# Allegro board F407_PACK_V10C.brd (continued)
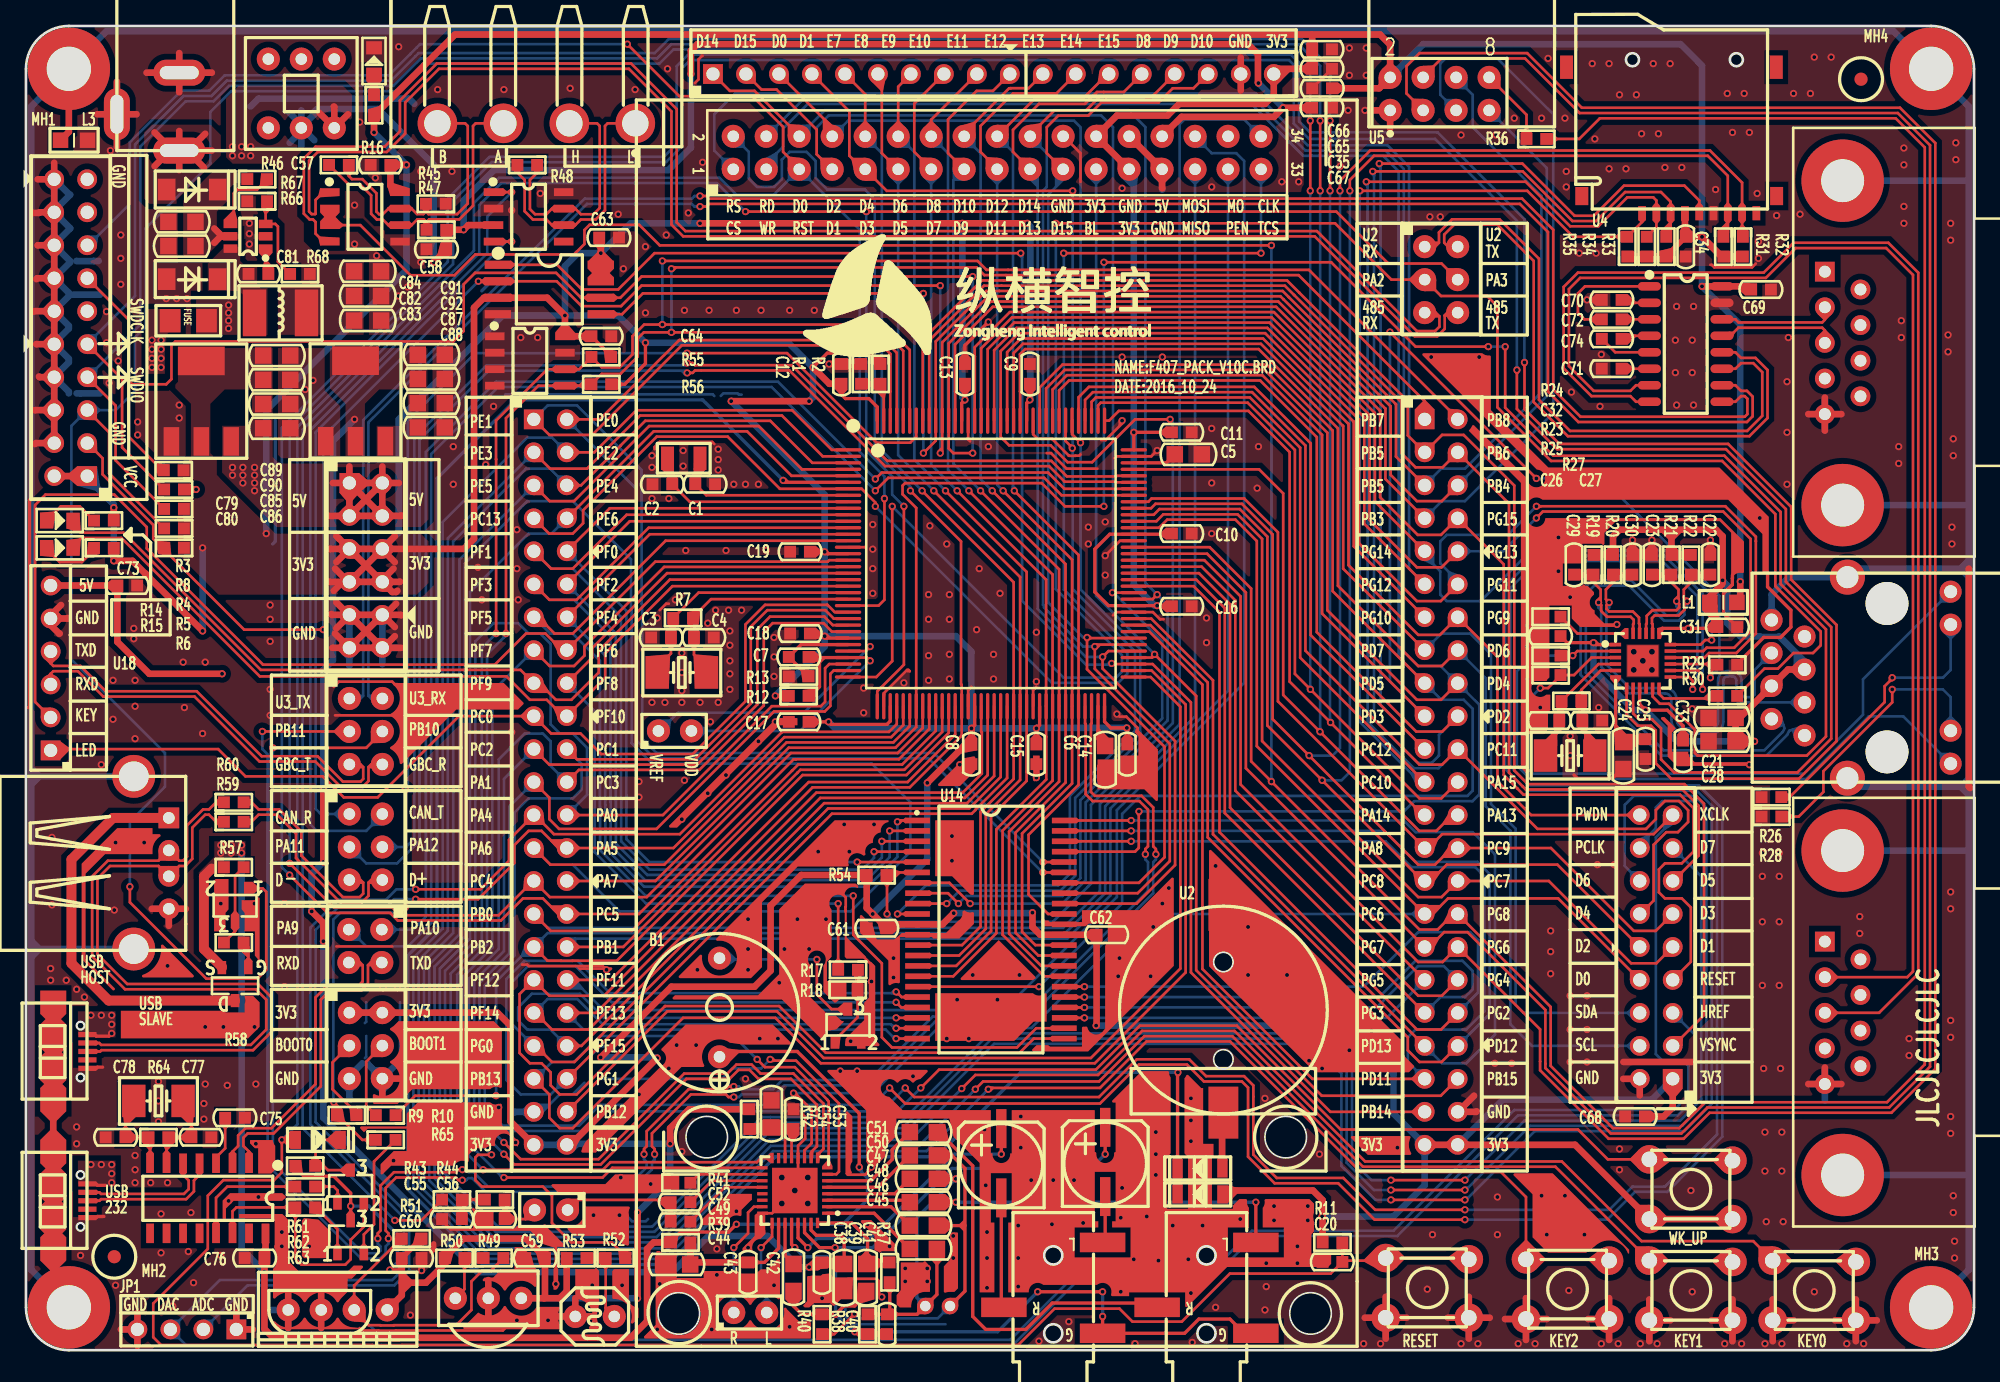
[diagram p0: board, top side]
## Routing (per net, layer and track width the routed paths; a pad name or vN(x,y) marks a point on that pad's centre or on a via; arc(x,y) is an arc through that point) (continued)
  BOTTOM w0.203: J1.44 44.18,20.9 53.6,20.9 54.4,21.7 56.6,21.7 v1(57.3,22.4)
I2S_SCLK: length 117.7
  TOP w0.203: v1(56.3,22.4) 56.9,21.8 59.2,21.8 61.7,19.3 61.7,19.27 61.81,19.17 61.81,14.16 U9.8 ; J1.41 40.3,19.7 40.3,17.9 41.1,17.1 42.1,17.1 50.6,25.6 57.7,25.6 61.2,22.1 82.3,22.1 89.29,29.09 89.29,49.73 86.68,52.35 U1.74
  BOTTOM w0.203: v1(56.3,22.4) 54.5,24.2 44.2,24.2 42.2,22.2 40.5,22.2 39.2,20.9 J1.41
I2S_SDIN: length 104.4
  TOP w0.203: v1(36.8,15.1) 37.59,14.31 44.26,14.31 50.85,20.9 54.17,20.9 54.87,21.59 55.71,21.59 56.4,20.9 58.9,20.9 60.9,18.9 60.9,15.71 60.52,15.33 60.52,14.87 U9.10 ; J1.24 42.58,44.7 51.85,44.7 56.81,49.66 56.81,55.32 57.5,56 61.4,56 62.05,55.35 U1.29
  BOTTOM w0.203: v1(36.8,15.1) 34.11,17.79 34.11,28.61 34.82,29.32 36.4,30.9 36.4,45.5 38.4,47.5 39.8,47.5 40.4,46.9 40.4,45 J1.24
I2S_SDOUT: length 100
  TOP w0.203: v1(36.8,16) 38.09,14.71 44.09,14.71 50.68,21.31 54.01,21.31 54.7,22 55.87,22 56.57,21.31 59.07,21.31 59.07,21.3 59.1,21.3 61.4,19 61.4,15.5 60.95,15.05 U9.9 ; J1.21 40.29,45.11 51.68,45.11 56.31,49.74 56.31,55.52 57.29,56.5 61.47,56.5 62.12,55.85 U1.28
  BOTTOM w0.203: v1(36.8,16) 34.51,18.29 34.51,28.44 34.99,28.91 36.81,30.73 36.81,44.01 J1.21
IIC_SCL: length 196.7
  TOP w0.203: v1(49,83.9) 73.27,83.9 73.96,83.21 75.62,83.21 98.79,83.21 110.24,71.76 J3.2 ; v1(36.2,55.2) 36.2,68.63 36.19,68.63 36.19,71.6 40.15,75.56 U16.6 42.6,75.56 R55.2 44.34,75.7 45.7,75.7 46.7,76.7 46.7,78.1 47.6,79 v1(49,79) 66.1,79 68.05,77.05 U1.139 ; v1(35.2,13.9) 44.43,13.9 45.01,14.48 56.28,14.48 56.6,14.8 U9.16
  BOTTOM w0.203: v1(49,79) v1(49,83.9) ; v1(36.2,55.2) 35.1,54.1 35.1,31.4 32.7,29 32.7,16.4 v1(35.2,13.9)
IIC_SDA: length 190.5
  TOP w0.203: U1.140 67.55,76.98 66.13,78.4 v1(49.7,78.4) 47.57,78.4 47.11,77.93 47.11,76.53 45.77,75.2 44.34,75.2 R56.2 43.43,74.29 U16.5 39.46,74.29 36.96,71.8 v1(36.96,55.2) ; J3.1 107.7,73.1 97.99,82.81 75.45,82.81 73.79,82.81 73.2,83.4 49.8,83.4 v1(49.7,83.3) ; U9.17 45.15,14.05 44.4,13.3 v1(36.8,13.3)
  BOTTOM w0.203: v1(49.7,78.4) v1(49.7,83.3) ; v1(36.96,55.2) 36.96,55.06 35.51,53.61 35.51,31.23 33.2,28.93 33.2,16.8 36.7,13.3 v1(36.8,13.3)
JTCK: length 225.5
  TOP w0.203: U1.109 83.4,71.6 84.15,72.35 94.13,72.35 97.3,69.18 97.3,51.5 v1(100.45,48.35) 107.58,41.22 J3.25 ; J2.9 7.4,74.8 7.4,69.54 R8.2 ; v1(100.41,94.7) v1(100.41,89.3)
  BOTTOM w0.203: J2.9 4.71,77.51 8.4,81.2 8.4,92.87 12.13,96.61 14.28,96.61 15.47,97.79 28.12,97.79 30,99.67 30.24,99.91 48.41,99.91 49.5,101 98.23,101 100.41,98.81 v1(100.41,94.7) ; v1(100.45,48.35) 100.41,48.39 v1(100.41,89.3)
JTMS: length 224.3
  TOP w0.203: J2.7 6.9,72.76 6.9,68.54 R4.1 ; J3.26 109.82,41.22 108.6,40 107.28,40 v1(99.64,47.64) 96.81,50.47 96.81,65.99 94.95,67.85 U1.105 ; v1(99.65,89.3) v1(99.65,94.7)
  BOTTOM w0.203: v1(99.65,89.3) 99.65,47.65 v1(99.64,47.64) ; v1(99.65,94.7) 99.65,98.93 97.99,100.59 49.69,100.59 48.61,99.51 30.41,99.51 28.29,97.39 15.64,97.39 14.45,96.2 12.3,96.2 8.81,92.71 8.81,79.01 4.75,74.95 J2.7
KEY0: length 213.6
  TOP w0.203: v1(72.05,20.15) 73.1,21.2 82.55,21.2 85.94,24.59 93.06,24.59 103.11,14.54 118.26,14.54 124.4,8.4 133,8.4 SW3.3 140.8,6.9 SW3.4 ; J1.6 42.74,66.62 45.8,69.68 45.8,69.7 47.69,71.59 57.31,71.59 60.55,68.35 U1.3
  BOTTOM w0.203: v1(72.05,20.15) 68.1,16.2 57.24,16.2 48.88,7.84 35.72,7.84 30.64,12.92 30.64,29.88 32.89,32.13 32.89,62.29 38.5,67.9 40.36,67.9 J1.6
KEY1: length 205.3
  TOP w0.203: J1.3 40.36,67.9 43.2,67.9 47.29,71.99 58.21,71.99 61.35,68.85 U1.2 ; v1(73.1,20.1) 73.7,20.7 82.62,20.7 86.11,24.19 92.89,24.19 102.94,14.13 117.77,14.13 SW4.3 131.3,6.9 SW4.4
  BOTTOM w0.203: v1(73.1,20.1) 68.74,15.74 57.35,15.74 49.05,7.44 35.55,7.44 30.24,12.75 30.24,30.05 32.49,32.3 32.49,62.55 J1.3
KEY2: length 200.2
  TOP w0.203: v1(74.1,20.1) 74.2,20.2 82.7,20.2 86.28,23.78 92.72,23.78 102.78,13.73 113.57,13.73 115.5,11.8 SW5.3 121.8,7 SW5.4 ; U1.1 62.05,69.35 59,72.4 47,72.4 43.76,69.16 J1.4
  BOTTOM w0.203: v1(74.1,20.1) 69.33,15.33 57.52,15.33 49.22,7.03 35.38,7.03 29.83,12.58 29.83,30.22 32.08,32.47 32.08,63.78 38.6,70.3 40.5,70.3 J1.4
LCD_BL: length 91.3
  TOP w0.203: J3.42 108.94,19.6 99.77,19.6 90.11,29.27 90.11,50.39 v1(86.9,53.6) 86.9,53.55 86.7,53.35 U1.76
  BOTTOM w0.203: v1(86.9,53.6) 82.4,58.1 J13.23
LED0: length 70.4
  TOP w0.203: U1.21 49.57,59.35 44.1,53.88 44.1,52.2 42,50.1 40.8,50.1 39.52,51.38 J1.17 38.08,52.4 18.08,52.4 7.51,62.97 4.23,62.97 3.62,63.58 D3.2
LED1: length 71
  TOP w0.203: U1.22 49.78,58.85 44.6,53.67 44.6,51.8 J1.20 41.36,48.84 40.1,50.1 38.8,50.1 37,51.9 18.01,51.9 7.35,62.56 4.26,62.56 3.62,61.92 D4.2
LIGHT_SENSOR: length 88.7
  TOP w0.203: U1.19 62.55,60.35 62.53,60.33 49.14,60.33 43,54.19 43,53.5 42.2,52.7 40.32,52.7 J1.15 ; 46.16,7.24 45.1,8.3 42,8.3 40.5,9.8 40.5,11.9 39.8,12.6 35.1,12.6 34.6,13.1 34.6,14.85 34.8,15.05 v1(35.85,15.05)
  TOP w0.254: 46.16,7.24 R52.1
  BOTTOM w0.203: v1(35.85,15.05) 33.7,17.2 33.7,28.8 35.91,31.01 35.91,50.73 J1.15
LINK_LED: length 53.9
  TOP w0.203: 118.16,51.96 118.2,52 119.2,52 120.55,53.35 U3.3 ; 118.16,51.96 117.2,51 v1(116.6,51) ; 118.16,51.96 R25.2
  BOTTOM w0.203: v1(116.6,51) 115.21,49.61 115.21,45.19 115.99,44.41 136.91,44.41 141.45,48.95 141.45,51.67 J9.12
LOUT2: length 7.4
  TOP w0.203: U9.25 57.45,8.75 v1(56.6,7.9)
  BOTTOM w0.203: J10.2 57.04,3.99 56.6,4.43 v1(56.6,7.9)
NRF_CE: length 212.9
  TOP w0.203: U5.3 107.58,95.52 106.3,96.8 106.3,98.9 107.31,99.91 115.59,99.91 119.8,95.7 144.3,95.7 147.02,92.98 147.02,21.67 143.64,18.29 129.64,18.29 127.64,16.29 121.86,16.29 116.59,21.56 116.59,22.24 116.59,24.71 J3.34 109.08,29.9 107.2,29.9 93.53,43.57 93.53,58.06 90.74,60.85 U1.91
NRF_CS: length 206.8
  TOP w0.203: U1.92 90.94,61.35 93.93,58.36 93.93,44.83 J3.33 108.06,31.06 109.2,32.2 111,32.2 116.99,26.21 116.99,22.07 116.99,21.73 122.03,16.69 127.47,16.69 129.47,18.69 143.47,18.69 146.61,21.84 146.61,92.81 144.13,95.29 119.63,95.29 115.43,99.5 109,99.5 107.58,98.08 U5.4
NRF_IRQ: length 313.9
  TOP w0.203: U10.2 U10.3 25.74,86.66 29.6,82.8 33,82.8 34.6,84.4 42.2,84.4 43,85.2 43,86.29 43.4,86.69 47.21,86.69 48.8,85.1 v1(95.9,85.1) ; R36.1 119.6,93.3 121.19,94.89 143.96,94.89 146.21,92.64 146.21,22.01 143.3,19.1 129.3,19.1 127.3,17.1 122.2,17.1 117.4,21.9 117.4,26.44 J3.32 109.9,33.6 108.7,32.4 107.3,32.4 v1(95.9,43.8) 94.34,45.36 94.34,58.66 91.15,61.85 U1.93
  BOTTOM w0.203: v1(95.9,85.1) v1(95.9,43.8)
OSC32_IN: length 14.3
  TOP w0.203: X1.2 51.54,68.34 C1.2 52.39,65.85 U1.8
OSC32_OUT: length 16.2
  TOP w0.203: X1.1 49.76,68.34 C2.2 51.11,65.35 U1.9
OSC_IN: length 19
  TOP w0.203: U1.23 51.79,58.35 R7.1 49.84,55.08 C3.2 49.66,53.66 48.6,52.6 X2.2
OSC_OUT: length 17.2
  TOP w0.203: U1.24 52.75,57.85 51.36,56.46 R7.2 51.36,54.98 C4.2 51.44,53.56 52.4,52.6 X2.1
PA5: length 102.1
  TOP w0.203: v1(30,34.74) 34.81,34.74 37.6,37.53 37.6,38.9 38.7,40 39.7,40 41.02,38.68 J1.28 49.86,38.68 58.39,47.22 66.62,47.22 67.55,48.15 U1.41
  BOTTOM w0.203: JP1.2 17.05,4.99 28.37,4.99 29.27,5.89 29.51,6.13 29.51,10.37 22.3,17.57 22.3,32.37 24.13,34.2 27.8,34.2 28.34,34.74 v1(30,34.74)
PA9: length 104.3
  TOP w0.203: v1(65.4,66.2) 66.39,67.19 78.4,67.19 79.74,65.85 U1.101
  BOTTOM w0.203: v1(65.4,66.2) 57.41,74.19 36.37,74.19 31.2,69.03 31.2,32.9 29.4,31.1 26.2,31.1 24.9,32.4 J6.3
PA10: length 100.2
  TOP w0.203: v1(65.4,67.1) 65.9,67.6 78.7,67.6 79.95,66.35 U1.102
  BOTTOM w0.203: J6.1 29.8,32.4 30.79,33.39 30.79,69.19 36.2,74.6 57.9,74.6 v1(65.4,67.1)
PWM_AUDIO: length 9.8
  TOP w0.203: C49.2 C52.2 49.47,11.57 42.47,11.57 J11.1
PWM_DAC: length 210.3
  TOP w0.203: v1(28.4,10) 30.44,10 R43.1 ; J17.4 109,83.7 104.9,83.7 100.9,87.7 v1(64.7,87.7) v1(55.4,87.7) ; v1(67.6,65) 67.6,52.8 65.55,50.75 U1.37
  BOTTOM w0.203: v1(55.4,87.7) 53.2,89.9 36.6,89.9 34.9,88.2 34.9,84.5 21.31,70.91 21.31,17.09 v1(28.4,10) ; v1(67.6,65) 66.7,65.9 66.7,67.3 64.7,69.3 v1(64.7,87.7)
RESET: length 342.9
  TOP w0.203: 101.36,6.9 R11.2 ; 101.36,6.9 104.5,6.9 SW1.3 111,7.1 SW1.4 ; 101.36,6.9 C20.1 100.46,5.9 92.7,5.9 89,2.2 85.2,2.2 84.2,3.2 79.2,3.2 76.4,0.4 28.95,0.4 28.94,0.38 26.68,0.38 26.67,0.4 10.4,0.4 9.8,1 9.8,3.6 14,7.8 14,11.9 15.2,13.1 19.1,13.1 19.7,13.7 v1(19.7,16.2) D6.1 ; U1.25 65.65,57.35 66.1,57.8 v1(66.1,65.6) ; v1(46.3,100.6) 50.31,96.59 55.93,96.59 58.3,94.23 58.3,92.3 59.54,91.06 J13.5
  BOTTOM w0.203: v1(66.1,65.6) 66.1,67.3 64.2,69.2 64.2,86.3 J13.5 57.58,89 54.7,89 53.39,90.31 36.43,90.31 34.49,88.37 34.49,84.69 20.9,71.1 20.9,17.4 v1(19.7,16.2) ; J2.15 4.81,85.11 7.99,88.29 7.99,93.04 11.96,97.01 14.11,97.01 15.3,98.2 27.95,98.2 29.59,99.84 30.35,100.6 v1(46.3,100.6)
RMII_CRS_DV: length 185.1
  TOP w0.203: U3.11 125.25,50.35 125.81,49.79 126.51,49.79 128.5,47.8 128.5,46 128.7,45.8 137.13,45.8 138.6,47.27 138.6,55.53 135.11,59.02 135.11,64.57 130.77,68.9 117.6,68.9 113.9,72.6 v1(113.9,77.3) ; v1(83,83.8) 100.5,83.8 107,77.3 v1(112.6,77.3) ; J1.30 48.47,36.14 58.73,46.41 66.96,46.41 68.55,48 U1.43 68.55,64.88 67.5,65.93 67.5,66.6 67.69,66.79 78.21,66.79 80,65 v1(83,65)
  BOTTOM w0.203: v1(113.9,77.3) v1(112.6,77.3) ; v1(83,83.8) v1(83,65)
RMII_REF_CLK: length 254.5
  TOP w0.203: v1(67.7,20.2) 68.4,19.5 82.63,19.5 85.53,22.41 89.57,22.41 90.87,21.11 93.79,21.11 94.51,20.39 94.51,19.53 94.51,15.07 96.31,13.27 101.43,13.27 103.89,10.81 v1(110.8,10.81) ; J1.23 40.3,42.56 40.3,40.9 41.05,40.15 48.55,40.15 57.6,49.2 61.51,49.2 61.94,49.63 61.94,52.1 62.19,52.35 U1.35 ; U3.14 128.75,52.35 129.1,52 v1(129.1,50.9)
  BOTTOM w0.203: v1(110.8,10.81) 121.91,10.81 123.7,12.6 126.2,12.6 130.21,16.61 130.21,41.54 128.64,43.11 115.57,43.11 113.89,44.78 113.89,58.87 116.22,61.19 126.16,61.19 129.1,58.25 v1(129.1,50.9) ; v1(67.7,20.2) 65.9,18.4 44.27,18.4 43,17.12 42.76,16.89 36.54,16.89 34.92,18.51 34.92,28.27 35.16,28.51 37.21,30.56 37.21,41.87 J1.23
RMII_RXD0: length 292.1
  TOP w0.203: v1(20.3,37.5) 23.71,34.09 28.21,34.09 28.8,33.5 36.4,33.5 39.04,36.14 J1.29 40.34,34.9 47.8,34.9 58.9,46 67.13,46 69.05,47.92 U1.44 ; v1(114.8,75.5) 114.8,72.5 117.9,69.4 130.9,69.4 135.51,64.79 135.51,59.19 139.01,55.7 139.01,47.11 136.4,44.5 126.91,44.5 125.9,45.51 125.9,47.9 125.2,48.6 124.2,48.6 123.75,49.05 U3.8
  BOTTOM w0.203: v1(20.3,37.5) 20.3,71.07 32.89,83.66 32.89,88.54 35.86,91.51 49.29,91.51 50.51,92.73 50.51,98.73 51.15,99.37 97.25,99.37 97.62,99.01 97.62,94.48 98.8,93.3 108.5,93.3 114.8,87 v1(114.8,75.5)
RMII_RXD1: length 296.8
  TOP w0.203: v1(115.38,76.08) 115.38,72.49 118.07,69.81 131.07,69.81 135.92,64.96 135.92,59.36 139.41,55.86 139.41,46.91 136.52,44.02 126.68,44.02 125.5,45.2 125.5,45.33 125.49,45.34 125.49,47.73 125.13,48.1 124.1,48.1 123.25,48.95 U3.7 ; U1.45 69.55,47.85 67.22,45.52 59.29,45.52 59.28,45.51 59.11,45.51 47.2,33.6 J1.32 41,33.6 39.8,34.8 38.27,34.8 36.57,33.09 28.63,33.09 28.04,33.68 23.22,33.68 v1(20.3,36.6)
  BOTTOM w0.203: v1(20.3,36.6) 19.7,37.2 19.7,71.05 32.48,83.83 32.48,88.71 35.69,91.92 49.12,91.92 50.1,92.9 50.1,98.9 50.98,99.78 97.42,99.78 97.79,99.41 98.03,99.17 98.03,94.65 98.87,93.8 108.7,93.8 115.38,87.12 v1(115.38,76.08)
RMII_TX_EN: length 101.7
  TOP w0.203: U1.126 74.55,77.03 76.27,78.74 95.58,78.74 102.62,71.71 102.62,71.7 102.64,71.68 102.64,62.16 107.1,57.7 108.94,57.7 J3.12 ; U3.16 129.25,53.35 129.6,53.7 131.7,53.7 133.2,55.2 133.2,62.32 133.2,62.66 130.85,65.01 116.63,65.01 116.63,65 v1(116.3,65)
  BOTTOM w0.203: J3.12 110.24,59.26 108.9,60.6 108.9,62.3 109.4,62.8 114.1,62.8 v1(116.3,65)
RMII_TXD0: length 95.1
  TOP w0.203: v1(116.3,64.1) 116.8,64.6 130.68,64.6 132.79,62.49 132.79,55.37 131.53,54.11 129.43,54.11 129.43,54.1 129.4,54.1 129.15,53.85 U3.17 ; J3.10 109,60.3 107.1,60.3 103.46,63.94 103.46,72.02 103.43,72.04 103.43,72.04 95.92,79.56 75.93,79.56 73.55,77.18 U1.128
  BOTTOM w0.203: v1(116.3,64.1) 113.74,61.54 J3.10
RMII_TXD1: length 87.8
  TOP w0.203: U3.18 128.95,54.35 129.3,54.7 v1(129.8,54.7) ; J3.9 103.86,65.38 103.86,72.18 103.84,72.21 103.84,72.21 96.09,79.96 75.76,79.96 73.05,77.25 73.05,76.55 73.06,76.55 73.06,73.85 73.05,73.84 U1.129
  BOTTOM w0.203: v1(129.8,54.7) 129.8,58.13 126.33,61.6 115.9,61.6 112,57.7 109.4,57.7 108.9,58.2 108.9,60 107.7,61.2 J3.9
ROUT2: length 9.4
  TOP w0.203: v1(54.5,7.9) 55.6,9 55.6,10.6 56.05,11.05 U9.23
  BOTTOM w0.203: J10.1 v1(54.5,7.9)
RS485_RX: length 115.4
  TOP w0.203: J17.5 108.55,79.92 108.84,79.64 108.84,78.84 108.5,78.5 107.1,78.5 99.4,86.2 50.77,86.2 50.11,86.87 50.11,95.59 46.59,99.11 31.63,99.11 28.79,96.27 28.79,93.87 27.62,92.7 22.3,92.7 21.39,91.79 21.39,87.54 21.83,87.1 22.1,87.1 22.3,86.9 22.3,86 22.91,85.39 U10.4
RS485_TX: length 114.7
  TOP w0.203: J17.6 109.46,79.92 109.24,79.7 109.24,78.67 108.67,78.09 106.93,78.09 99.23,85.79 50.61,85.79 49.7,86.7 49.7,95.43 46.43,98.7 31.8,98.7 29.2,96.1 29.2,93.71 27.79,92.29 22.47,92.29 21.8,91.63 21.8,87.71 22,87.51 22.27,87.51 22.3,87.54 22.3,88.6 22.9,89.2 U10.1
RTS#: length 20
  TOP w0.203: Q4.2 26.02,9.52 25,8.5 25,7 24.58,6.58 21.22,6.58 20.74,7.06 R63.2 16.2,11 15.9,10.71 U19.14
RXD: length 23.1
  TOP w0.203: J6.4 25.72,29.86 25.93,29.66 25.93,28.4 25.63,28.11 23.23,28.11 22.29,27.17 22.29,20.49 18.9,17.1 16.9,17.1 16.34,16.54 16.34,15.73 15.9,15.29 U19.3
SDIO_CMD: length 134.9
  TOP w0.203: v1(103.7,90.8) 115.25,90.8 119.07,86.97 120.9,86.97 123.13,89.21 125.89,89.21 126.64,88.46 U4.3 126.64,86.1 R33.1 ; U1.116 79.55,73.93 80.32,74.69 95.03,74.69 99.39,70.33 99.39,55.31 107.05,47.65 109.05,47.65 J3.20
  BOTTOM w0.203: J3.20 108.8,47.4 108.8,45.8 108.23,45.23 107.17,45.23 103.8,48.6 103.8,90.7 v1(103.7,90.8)
SDIO_D2: length 121.2
  TOP w0.203: U1.111 82.05,73.05 82.39,73.39 94.24,73.39 98.11,69.51 98.11,53.35 J3.23 ; U4.1 124.44,86.9 R35.1 119.14,85.76 115.6,89.3 v1(102.7,89.3)
  BOTTOM w0.203: J3.23 107.66,43.8 107.3,43.8 102.7,48.4 v1(102.7,89.3)
SDIO_SCK: length 124.3
  TOP w0.203: v1(104.2,91.4) 115.22,91.4 119.24,87.38 120.73,87.38 123.05,89.7 127.7,89.7 128.84,88.56 U4.5 ; U1.113 81.05,73.4 81.85,74.2 94.58,74.2 98.93,69.85 98.93,55.07 J3.21
  BOTTOM w0.203: J3.21 104.3,49.7 104.3,91.3 v1(104.2,91.4)
SPEED_LED: length 53.8
  TOP w0.203: U3.2 119.45,53.85 v1(119.1,53.5) R23.2
  BOTTOM w0.203: J9.9 144.56,48.81 141.89,48.81 137.07,44 115.83,44 114.8,45.03 114.8,52.3 116,53.5 v1(119.1,53.5)
SPI1_MISO: length 200.7
  TOP w0.203: v1(70.4,82) 47.4,82 45.82,80.42 42.78,80.42 40.87,82.33 U15.2 v1(34.84,82.33) ; J3.6 109.02,65.4 107.1,65.4 105.08,67.42 105.08,72.69 105.06,72.71 105.06,72.72 96.83,80.94 96.59,81.18 74.78,81.18 74.11,81.18 73.52,80.6 70.55,77.63 U1.134 70.55,69.25 v1(70.4,69.1) ; J2.3 4.73,69.87 5.9,68.7 5.9,67.46 9.8,63.56 9.8,62.5 10.5,61.8 R6.1 10.64,61.66 16.8,55.5 v1(22.9,55.5)
  BOTTOM w0.203: U5.7 117.1,91.06 117.1,73.48 J3.6 ; v1(22.9,55.5) 22.9,70.4 v1(34.84,82.33) ; v1(70.4,82) v1(70.4,69.1)
SPI1_MOSI: length 133.6
  TOP w0.203: v1(69.1,81.4) 47.5,81.4 45.9,79.8 U15.5 ; J3.5 105.49,68.83 105.49,72.86 105.46,72.88 105.46,72.89 97.24,81.11 96.76,81.59 74.95,81.59 73.94,81.59 73.35,81 70.05,77.7 U1.135 70.05,70.05 v1(69.1,69.1)
  BOTTOM w0.203: U5.6 110.12,97.98 111.4,96.7 111.4,94.2 116.69,88.91 116.69,73.79 110.8,67.9 108.98,67.9 J3.5 ; v1(69.1,81.4) v1(69.1,69.1)
SPI1_SCK: length 213.8
  TOP w0.203: R3.1 10.5,67.77 7.9,70.37 7.9,74.4 ; 7.9,74.4 10.8,74.4 11.2,74.8 11.2,77.4 11.5,77.7 32.9,77.7 33.7,78.5 33.7,82.1 34.58,82.98 40.82,82.98 42.73,81.06 U15.6 45.77,81.06 47.4,82.7 v1(72.9,82.7) ; 7.9,74.4 7.9,79.38 J2.13 ; J3.7 104.68,67.1 104.68,72.52 104.65,72.55 104.65,72.55 96.43,80.77 74.61,80.77 74.27,80.77 73.69,80.19 71.05,77.55 U1.133 71.05,69.45 71.4,69.1 v1(72.9,69.1)
  BOTTOM w0.203: U5.5 110.1,95.5 108.9,96.7 108.9,99.1 109.3,99.5 113.3,99.5 117.6,95.2 117.6,72.2 110.8,65.4 109.02,65.4 J3.7 ; v1(72.9,82.7) v1(72.9,69.1)
T_CS: length 114.3
  TOP w0.203: J1.7 40.28,62.9 42.1,62.9 42.9,63.7 42.9,64.7 48.57,70.37 54.03,70.37 58.05,66.35 U1.7 64.35,66.35 65.4,65.3 v1(65.4,65) ; v1(79.9,84.5) v1(95.1,84.5)
  BOTTOM w0.203: J13.33 v1(95.1,84.5) ; v1(79.9,84.5) 79.9,84.4 79.92,84.38 79.92,58.58 84.8,53.7 84.8,52.1 84.1,51.4 79,51.4 v1(65.4,65)
T_MISO: length 167.2
  TOP w0.203: v1(36.2,19.6) 29.96,19.6 R10.2 ; U1.48 71.05,47.55 67.8,44.3 59.8,44.3 45.5,30 42.09,30 42.08,29.99 41.2,29.99 41.19,30 40.16,30 J1.33
  BOTTOM w0.203: v1(36.2,19.6) 36.2,28.4 38.8,31 39.04,31 J1.33 40.17,32.13 80.03,32.13 83.1,35.2 83.1,41.9 90.02,48.82 J13.29
T_MOSI: length 152.2
  TOP w0.203: J1.36 45.03,28.52 60.27,43.76 67.88,43.76 71.55,47.42 U1.49
  BOTTOM w0.203: J13.30 90.02,93.48 91.3,92.2 93.2,92.2 93.8,91.6 93.8,51.4 84,41.6 84,34.9 75.3,26.2 44.47,26.2 42.15,28.52 J1.36
T_PEN: length 140.9
  TOP w0.203: U1.47 70.55,47.62 67.63,44.71 59.63,44.71 59.39,44.47 45.99,31.06 J1.34
  BOTTOM w0.203: J13.31 92.56,50.79 83.51,41.73 83.51,35.03 80.17,31.7 42.28,31.7 J1.34
T_SCK: length 153.5
  TOP w0.203: U1.46 70.05,47.7 67.46,45.11 59.46,45.11 58.99,44.64 46.65,32.3 40.4,32.3 J1.31
  BOTTOM w0.203: J1.31 40.17,32.53 79.86,32.53 82.69,35.37 82.69,42.07 88.83,48.2 88.83,94.43 89.2,94.8 93.8,94.8 J13.34
TPRX+: length 38
  TOP w0.203: C29.2 R19.2 120.7,59.14 121.25,58.59 121.25,57.75 v1(121.09,57.59) 121.29,57.39 121.29,56.93 121.73,56.49 123.56,56.49 123.8,56.26 123.8,55.97 123.75,55.93 U3.23
  BOTTOM w0.203: v1(121.09,57.59) 121.09,57.19 121.29,56.99 121.29,52.63 123.33,50.59 126.2,50.59 arc(126.55,50.45) 126.69,50.1 126.69,48.58 arc(127.01,47.81) 127.78,47.49 129.75,47.49 arc(130.42,47.77) 130.7,48.44 130.7,51.61 arc(130.79,51.81) 130.99,51.9 131.38,51.9 arc(131.6,51.81) 131.69,51.59 131.69,50.6 arc(131.9,50.1) 132.4,49.89 136.95,49.89 J9.3
TPRX-: length 37.3
  TOP w0.203: C30.2 R20.2 122.2,59.14 121.65,58.59 121.65,57.84 v1(121.9,57.59) 121.7,57.39 121.7,57.1 121.9,56.9 123.73,56.9 124.2,56.43 124.2,55.97 124.25,55.93 U3.22
  BOTTOM w0.203: v1(121.9,57.59) 121.9,57.19 121.7,56.99 121.7,52.8 123.5,51 126.2,51 arc(126.84,50.74) 127.1,50.1 127.1,48.58 arc(127.3,48.1) 127.78,47.9 129.75,47.9 arc(130.14,48.06) 130.29,48.44 130.29,51.61 arc(130.5,52.1) 130.99,52.31 131.38,52.31 arc(131.89,52.1) 132.1,51.59 132.1,50.6 arc(132.19,50.39) 132.4,50.3 132.9,50.3 133.1,50.5 133.1,52.39 J9.6
TPTX+: length 45.9
  TOP w0.203: C23.1 R21.2 126.7,59.14 127.25,58.59 127.25,57.84 v1(127.1,57.69) 127.3,57.49 127.3,57.2 127.1,57 125.24,57 124.8,56.56 124.8,55.97 124.75,55.93 U3.21
  BOTTOM w0.203: J9.1 136.04,47.8 135.77,47.71 135.61,47.4 134.02,45.8 125.93,45.8 119.7,52.03 119.7,58.4 120.6,59.3 123.6,59.3 126.3,56.6 127.09,56.6 127.3,56.8 127.3,57.09 127.1,57.29 v1(127.1,57.69)
TPTX-: length 44.8
  TOP w0.203: U3.20 125.25,55.93 125.2,55.97 125.2,56.39 125.41,56.59 127.27,56.59 127.71,57.03 127.71,57.49 v1(127.91,57.69) 127.65,57.95 127.65,58.59 128.2,59.14 R22.2 C22.1
  BOTTOM w0.203: v1(127.91,57.69) 127.91,57.29 127.7,57.08 127.7,56.63 127.26,56.19 126.13,56.19 123.43,58.89 120.77,58.89 120.11,58.23 120.11,52.19 126.09,46.21 133.85,46.21 135.28,47.64 135.41,47.89 135.32,48.17 J9.2
TXD: length 23.1
  TOP w0.203: J6.2 26.54,29.86 26.33,29.66 26.33,28.23 25.8,27.7 23.4,27.7 22.7,27 22.7,20.33 19.07,16.69 17.07,16.69 16.74,16.37 16.74,15.73 17.18,15.29 U19.2
U2_232RX: length 9.2
  TOP w0.203: U17.13 131.24,78.14 131.86,78.76 138.31,78.76 138.51,78.55 J15.3
U2_232TX: length 9.1
  TOP w0.203: J15.2 138.51,79.37 138.31,79.16 131.87,79.16 131.63,79.41 U17.14
U2_RX: length 47.9
  TOP w0.203: J17.1 108.5,85 108.8,85.3 108.8,86.1 109.81,87.11 113.47,87.11 116.5,84.07 116.5,73.2 118.89,70.81 132.53,70.81 133.69,71.97 133.69,75.33 133,76.03 132.06,76.03 131.63,75.59 U17.11
U2_TX: length 48.5
  TOP w0.203: J17.2 109.51,85 109.21,85.3 109.21,85.93 109.97,86.7 113.3,86.7 116.09,83.9 116.09,73.03 118.73,70.4 132.7,70.4 134.1,71.8 134.1,75.5 133.17,76.43 132.06,76.43 131.63,76.86 U17.12
U3_232RX: length 106
  TOP w0.203: J16.3 142.69,25.99 145.71,29.01 145.71,82.99 143.4,85.3 136.1,85.3 133.8,83 119.5,83 118.4,81.9 118.4,75.63 120.54,73.49 123.54,73.49 123.97,73.06 U17.8
U3_232TX: length 102.4
  TOP w0.203: U17.7 123.97,74.33 123.54,73.89 120.71,73.89 118.81,75.8 118.81,81.73 119.67,82.59 133.97,82.59 136.27,84.89 143.23,84.89 145.3,82.83 145.3,29.17 144.86,28.73 J16.2
U3_RX: length 154.5
  TOP w0.203: U17.10 131.63,74.33 132.06,73.89 132.51,73.89 132.96,73.45 132.96,71.93 132.51,71.49 119.53,71.49 117.19,73.83 117.19,86.13 115.03,88.29 52.59,88.29 52.39,88.09 v1(51.9,88.09)
  BOTTOM w0.203: v1(51.9,88.09) 51.47,88.09 51.27,88.29 43.19,88.29 26.37,71.47 26.37,50.4 26.58,50.2 J18.2
U3_TX: length 153.9
  TOP w0.203: U17.9 131.63,73.06 132.06,73.49 132.35,73.49 132.55,73.28 132.55,72.1 132.35,71.9 119.7,71.9 117.6,74 117.6,86.3 115.2,88.7 52.6,88.7 52.4,88.9 v1(51.9,88.9)
  BOTTOM w0.203: J18.1 25.76,50.2 25.97,50.4 25.97,71.64 43.03,88.7 51.28,88.7 51.48,88.9 v1(51.9,88.9)
USART3_RX: length 147.9
  TOP w0.203: v1(87,38.2) 87,38.6 86.8,38.81 86.8,41.8 85.9,42.7 82.3,42.7 82,43 82,48.24 82.05,48.28 U1.70 ; v1(54.5,19.5) 54.1,19.5 53.89,19.7 51.2,19.7 48.2,16.7 48.2,15.71 48.4,15.5 v1(48.4,15.1) ; v1(27.9,8.6) 27.9,9 27.7,9.21 27.7,12.5 28.5,13.3 33.1,13.3 33.3,13.1 v1(33.6,13.1) ; J18.3 v1(18.2,47.66)
  BOTTOM w0.203: v1(27.9,8.6) 27.9,8.2 27.7,7.99 27.7,7.5 27.26,7.06 25.8,7.06 18.6,14.26 18.6,45.9 18.2,46.3 v1(18.2,47.66) ; v1(87,38.2) 87,37.8 86.8,37.59 86.8,35.2 76.89,25.29 69.99,25.29 65.1,20.4 58.4,20.4 57.7,19.7 55.11,19.7 54.9,19.5 v1(54.5,19.5) ; v1(48.4,15.1) 48.4,14.7 48.2,14.49 48.2,13.93 46.47,12.2 35.4,12.2 34.34,13.26 34.06,13.26 33.9,13.1 v1(33.6,13.1)
USART3_TX: length 147.4
  TOP w0.203: v1(19,46.4) 26.2,46.4 27.44,47.64 J18.4 ; v1(54.5,20.31) 54.1,20.31 53.89,20.11 51.03,20.11 47.79,16.87 47.79,15.71 47.59,15.5 v1(47.59,15.1) ; v1(33.6,13.91) 33.31,13.91 33.11,13.71 28.33,13.71 27.29,12.67 27.29,9.21 27.09,9 v1(27.09,8.6) ; U1.69 81.55,48.28 81.6,48.24 81.6,42.83 82.13,42.29 85.73,42.29 86.39,41.63 86.39,38.81 86.19,38.6 v1(86.19,38.2)
  BOTTOM w0.203: v1(54.5,20.31) 54.9,20.31 55.11,20.11 57.53,20.11 58.23,20.81 64.93,20.81 69.83,25.7 76.73,25.7 86.39,35.37 86.39,37.59 86.19,37.8 v1(86.19,38.2) ; v1(33.6,13.91) 33.89,13.91 34.09,13.71 34.49,13.71 34.63,13.57 34.63,13.54 35.57,12.61 46.31,12.61 47.79,14.09 47.79,14.49 47.59,14.7 v1(47.59,15.1) ; v1(27.09,8.6) 27.09,8.2 27.29,7.99 27.29,7.67 27.09,7.47 25.97,7.47 19.01,14.43 19.01,46.3 19,46.31 v1(19,46.4)
USB_D+: length 95
  TOP w0.203: U1.104 83.98,67.35 83.94,67.3 80.15,67.3 78.95,68.5 66.33,68.5 58.95,75.87 52,75.87 51.51,75.87 51.33,76.04 v1(50.9,76.04)
  BOTTOM w0.203: J19.4 29.26,38.76 29.9,39.4 29.9,70.3 35.45,75.85 50.71,75.85 v1(50.9,76.04)
USB_D-: length 98.5
  TOP w0.203: U1.103 83.98,66.85 83.94,66.9 79.98,66.9 78.78,68.09 66.16,68.09 58.79,75.46 52,75.46 51.51,75.46 51.34,75.28 v1(50.91,75.28)
  BOTTOM w0.203: J19.3 24.94,38.76 26.2,37.5 28.57,37.5 30.31,39.23 30.31,70.13 35.62,75.44 50.74,75.44 v1(50.91,75.28)
USB_DM: length 52.1
  TOP w0.203: USB1.2 5.64,23.66 5.79,23.51 17.31,23.51 18.5,24.7 18.5,27 17.7,27.8 7.63,27.8 5.09,30.33 5.09,36.49 6.3,37.7 10.2,37.7 USB2.2 11.8,37.7 12.08,37.7 12.4,38.02 12.4,40.42 13.63,41.65 14.09,41.65 14.64,42.2 R60.2
USB_DP: length 52.1
  TOP w0.203: R59.2 14.64,40.7 14.09,41.25 13.8,41.25 12.81,40.25 12.81,37.85 12.25,37.3 11.8,37.3 USB2.3 10.2,37.3 6.47,37.3 5.5,36.33 5.5,30.5 7.79,28.21 17.87,28.21 18.91,27.17 18.91,24.53 17.48,23.11 5.81,23.11 5.71,23.01 USB1.3
USB_PWR: length 290.5
  TOP w0.203: Q3.1 18.23,35.57 18.5,35.3 18.5,29.3 17.81,28.61 13.89,28.61 8,34.5 v1(8,35.7) ; v1(98.89,94.7) v1(98.89,89.3) ; R5.1 6.4,67.54 6.4,70.7 4.71,72.39 J2.5 ; J3.24 108.98,42.5 107.3,42.5 v1(98.9,50.9) 97.71,52.09 97.71,69.34 94.07,72.98 82.75,72.98 82.55,72.78 U1.110
  BOTTOM w0.203: v1(8,35.7) 8,40.7 10.7,43.4 10.7,46 3.5,53.2 3.5,71.2 J2.5 6.91,72.41 8.4,73.9 8.4,78.03 9.21,78.84 9.21,86.41 14.2,91.4 14.2,95.38 15.81,96.98 28.46,96.98 30.57,99.1 48.77,99.1 49.86,100.19 97.82,100.19 98.89,99.11 v1(98.89,94.7) ; v1(98.89,89.3) 98.89,50.91 v1(98.9,50.9)
VBTN: length 4.8
  TOP w0.508: 23.74,94.16 U21.3 23.75,94.15 24.8,95.2 ; 23.74,94.16 23.74,95.76 23.7,95.8 ; 23.74,94.16 22.6,95.3
  vias: v1(15.6,80.5) v1(15.6,79.9) v1(15.6,79.3) v1(15.6,78.7) v1(15.9,92.7) v1(15.9,92) v1(16.6,92.7) v1(16.6,92) v1(17.3,92.7) v1(17.3,92)
VREF+: length 20.8
  TOP w0.203: v1(65,54.2) 64.65,53.85 U1.32
  BOTTOM w0.203: v1(65,54.2) 59.9,49.1 50.2,49.1 48.8,47.7 J7.1
VUSB: length 3.4
  TOP w0.254: 6.1,12.7 5.5,12.7 5.39,12.81 USB3.1 ; v1(6.6,24.4) 6.39,24.19 5.41,24.19 5.29,24.31 USB1.1
  vias: v1(5,25.8) v1(5,14.3) v1(5.8,25.8) v1(5.8,14.3) v1(6.6,25.8) v1(6.6,25.1) v1(6.6,14.3) v1(6.6,13.6) v1(6.6,12.9) v1(9.7,77.8) v1(9.7,77.1) v1(9.7,76.4) v1(9.7,75.7) v1(10.4,77.8) v1(10.4,77.1) v1(10.4,76.4) v1(10.4,75.7)
WK_UP: length 204.1
  TOP w0.203: SW2.4 125.1,14.6 SW2.3 121.8,14.7 119.5,17 101.23,17 93.23,25 85.77,25 82.38,21.61 70.31,21.61 v1(68.9,20.2) ; J1.26 49.05,41.22 57.43,49.61 61.21,49.61 61.53,49.93 61.53,52.53 61.85,52.85 U1.34
  BOTTOM w0.203: v1(68.9,20.2) 66.65,17.95 57.32,17.95 56.65,17.95 48.23,9.53 36.33,9.53 32.27,13.59 32.27,29.21 34.6,31.54 34.6,54.6 36,56 37.9,56 38.7,55.2 39.6,55.2 40.4,54.4 40.4,48.2 41.1,47.5 42.1,47.5 43.2,46.4 43.2,42.78 J1.26
